# Allegro board 6089-103-RevA_73.brd (continued)
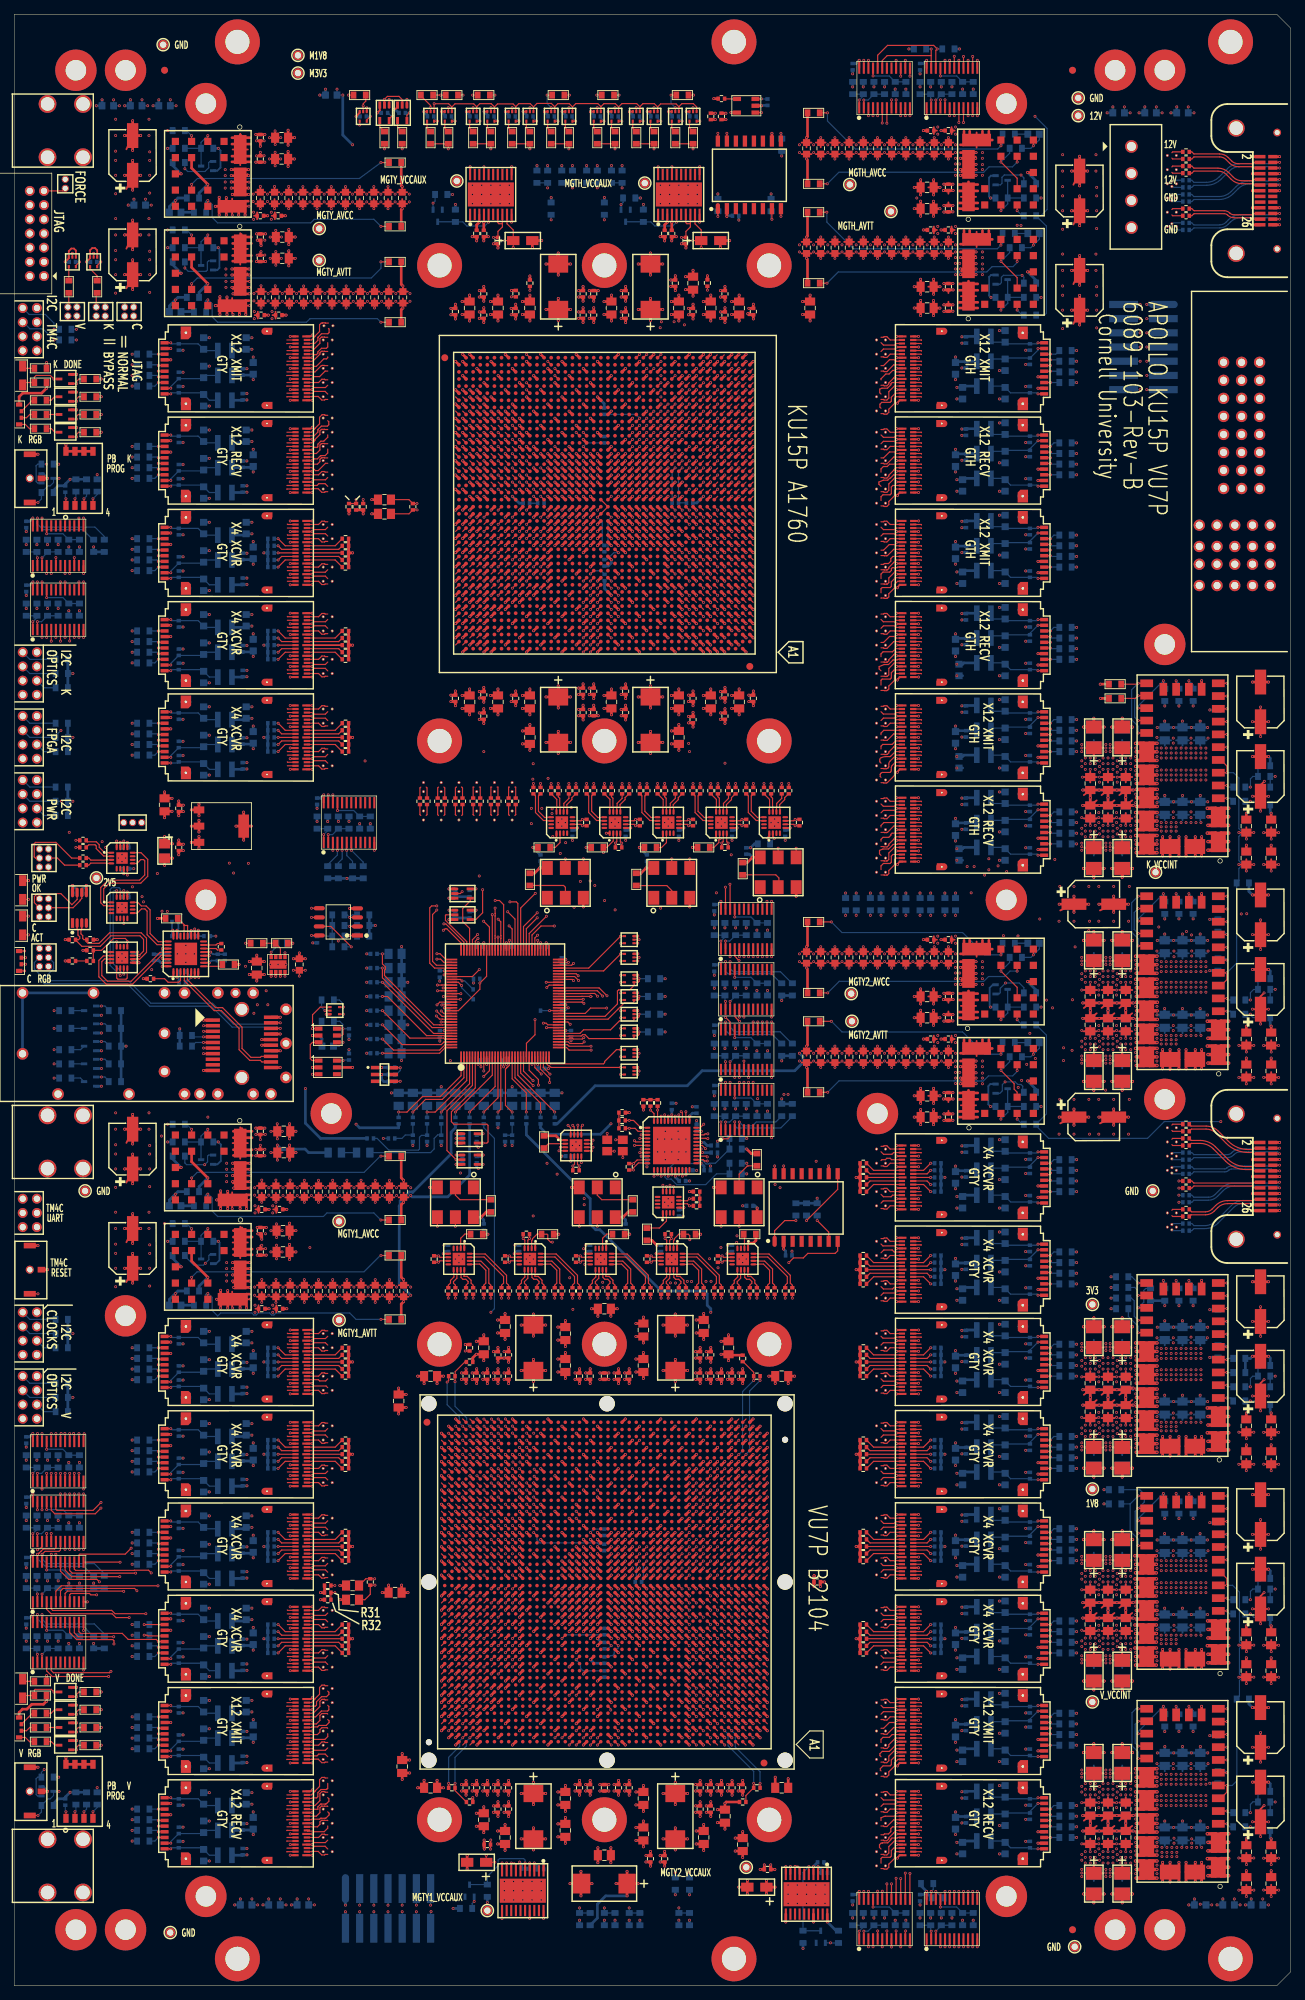
[diagram p0: board, top side]
## Routing (per net, layer and track width the routed paths; a pad name or vN(x,y) marks a point on that pad's centre or on a via; arc(x,y) is an arc through that point) (continued)
PV_FF11_XMIT3: length 28.4
  TOP w0.165: 122.2,38.28 122.54,38.62 124.1,38.62 124.32,38.4 U116.A15 ; U66.K7 100.17,42.95
  SIG1 w0.083: 122.2,38.28 121.52,38.28 arc(121.33,38.25) 121.17,38.15 arc(121.14,38.12) 121.1,38.1 arc(120.99,38.05) 120.88,38.01 arc(120.84,38) 120.79,38 120.37,38 arc(119.88,38.09) 119.47,38.37 114.99,42.85 arc(114.62,43.13) 114.2,43.29 113.77,43.39 113.33,43.5 arc(113.08,43.54) 112.84,43.56 101.12,43.56 arc(100.86,43.51) 100.63,43.37 100.57,43.34 100.57,43.07 arc(100.53,42.98) 100.44,42.95 100.17,42.95
PV_FF11_XMIT4: length 34
  TOP w0.165: 127.9,36.88 127.9,36.85 127.85,36.9 U116.B12 ; U66.J9 98.17,41.93
  SIG3 w0.083: 98.17,41.93 98.28,41.93 arc(98.32,41.94) 98.36,41.96 98.49,42.04 arc(98.52,42.07) 98.55,42.11 98.65,42.37 arc(98.67,42.4) 98.71,42.43 98.85,42.49 113.13,42.49 arc(114.36,42.24) 115.4,41.54 119.6,37.34 arc(119.91,37.14) 120.28,37.06 122.08,37.06 arc(122.35,37.04) 122.61,36.97 122.87,36.88 122.95,36.81 123.16,36.73 arc(123.2,36.72) 123.24,36.72 127.4,36.72 arc(127.44,36.73) 127.48,36.75 arc(127.61,36.83) 127.75,36.87 arc(127.79,36.88) 127.83,36.88 127.9,36.88
PV_FF11_XMIT5: length 28.5
  TOP w0.165: U116.A12 124.32,36.9 124.12,37.11 123.38,37.11 122.56,36.28 122.2,36.28 ; U66.H7 100.17,40.94
  SIG1 w0.083: 122.2,36.28 121.55,36.28 arc(121.33,36.24) 121.14,36.12 arc(121.11,36.09) 121.08,36.07 arc(121.04,36.05) 120.99,36.04 arc(120.95,36.03) 120.91,36.03 120.55,36.03 arc(120.05,36.13) 119.63,36.41 115.51,40.53 arc(114.34,41.31) 112.96,41.59 101.21,41.59 arc(100.95,41.53) 100.72,41.38 100.68,41.34 arc(100.59,41.21) 100.57,41.07 100.57,41.02 100.48,40.94 100.17,40.94
PV_FF11_XMIT6: length 34.4
  TOP w0.165: 127.9,35.38 127.9,35.35 127.85,35.4 U116.B9 ; U66.G9 98.17,39.93
  SIG3 w0.083: 127.9,35.38 127.83,35.38 arc(127.79,35.38) 127.75,35.37 arc(127.61,35.32) 127.48,35.25 arc(127.44,35.23) 127.4,35.22 122.67,35.22 arc(122.52,35.2) 122.4,35.13 arc(122.36,35.11) 122.33,35.09 arc(122.26,35.06) 122.2,35.03 arc(122.16,35.02) 122.12,35.02 119.57,35.02 arc(119.53,35.03) 119.49,35.05 114.11,40.44 arc(114.01,40.5) 113.89,40.53 98.85,40.53 arc(98.64,40.44) 98.56,40.24 98.56,40.04 arc(98.52,39.96) 98.44,39.93 98.17,39.93
PV_FF11_XMIT7: length 28.8
  TOP w0.165: 122.2,34.28 122.2,34.73 122.48,35.01 123.38,35.01 123.77,35.4 U116.A9 ; U66.F7 100.17,38.93
  SIG1 w0.083: 100.17,38.93 100.48,38.93 100.57,39.02 arc(100.57,39.02) 100.57,39.02 arc(100.57,39.03) 100.57,39.05 100.57,39.16 arc(100.59,39.28) 100.65,39.37 100.67,39.39 arc(100.78,39.47) 100.91,39.49 111.83,39.49 arc(113.38,39.18) 114.69,38.3 118.48,34.52 arc(119.11,34.09) 119.86,33.95 120.83,33.95 arc(121.03,33.99) 121.2,34.1 121.24,34.14 arc(121.4,34.24) 121.59,34.28 122.2,34.28
PV_FF11_XMIT8: length 34.3
  TOP w0.165: U116.B6 127.85,33.9 127.9,33.85 127.9,33.88 ; U66.E9 98.17,37.94
  SIG3 w0.083: 127.9,33.88 127.71,33.88 arc(127.62,33.86) 127.54,33.81 127.48,33.75 arc(127.44,33.73) 127.4,33.72 124.39,33.72 arc(123.72,33.62) 123.11,33.33 arc(122.67,33.1) 122.2,32.97 arc(122.16,32.96) 122.12,32.96 119.93,32.96 arc(118.87,33.17) 117.98,33.77 113.99,37.76 arc(113.07,38.37) 111.98,38.59 98.88,38.59 arc(98.77,38.57) 98.68,38.5 98.67,38.49 arc(98.59,38.37) 98.56,38.23 98.56,38.06 arc(98.55,38.03) 98.53,38 98.48,37.94 98.17,37.94
PV_FF11_XMIT9: length 29.4
  TOP w0.165: U66.D7 100.17,36.93 ; 122.2,32.28 122.04,32.44 122.04,32.7 122.37,33.02 123.37,33.02 124.25,33.9 U116.A6
  SIG1 w0.083: 122.2,32.28 121.43,32.28 arc(121.28,32.25) 121.16,32.17 121.14,32.14 arc(120.93,32.01) 120.69,31.96 119.58,31.96 arc(119.02,32.07) 118.53,32.39 114.52,36.41 arc(113.2,37.29) 111.64,37.6 100.9,37.6 arc(100.67,37.5) 100.58,37.28 100.58,37.2 arc(100.58,37.15) 100.57,37.11 arc(100.54,37.04) 100.51,36.97 arc(100.48,36.94) 100.44,36.93 100.17,36.93
PV_FF11_XMIT10: length 34.5
  TOP w0.165: U66.C9 98.17,35.94 ; U116.B3 127.85,32.4 127.9,32.35 127.9,32.38
  SIG3 w0.083: 127.9,32.38 127.76,32.38 arc(127.62,32.36) 127.5,32.28 arc(127.42,32.23) 127.33,32.22 arc(127.28,32.22) 127.23,32.22 125.22,32.22 arc(124.56,32.1) 123.99,31.74 arc(123.96,31.71) 123.93,31.69 arc(123.77,31.58) 123.61,31.47 arc(123.58,31.45) 123.54,31.43 122.91,31.18 arc(122.23,30.97) 121.53,30.9 120.2,30.9 117.56,31.11 arc(117.41,31.15) 117.28,31.22 117.23,31.26 112.71,35.79 arc(111.83,36.38) 110.79,36.58 98.89,36.58 arc(98.77,36.56) 98.67,36.49 98.64,36.46 arc(98.58,36.37) 98.56,36.26 98.56,36.05 arc(98.55,36.02) 98.53,36 98.48,35.94 98.17,35.94
PV_FF11_XMIT11: length 31.3
  TOP w0.165: 122.2,30.28 122.1,30.38 122.1,30.61 122.48,30.99 123.48,30.99 123.65,31.15 123.65,31.82 124.23,32.4 U116.A3 ; U66.A9 98.17,33.93
  SIG1 w0.083: 98.17,33.93 98.48,33.93 98.56,34.01 98.56,34.28 98.76,34.49 110.21,34.49 arc(110.9,34.35) 111.49,33.96 114.56,30.88 arc(115.54,30.23) 116.68,30 120.86,30 arc(121.1,30.05) 121.29,30.18 arc(121.39,30.23) 121.49,30.27 arc(121.53,30.28) 121.57,30.28 122.2,30.28
PV_FF12_RECV0: length 31.8
  TOP w0.165: U30.A18 41.94,18.9 41.98,18.94 42.86,18.94 43.36,18.44 43.76,18.44 43.84,18.52 44.2,18.52 ; U66.D45 61.25,36.93
  SIG2 w0.083: 61.25,36.93 60.89,36.93 arc(60.83,36.9) 60.81,36.85 60.81,36.7 arc(60.69,36.41) 60.4,36.29 57.89,36.29 arc(57.48,36.21) 57.14,35.98 54.21,33.05 arc(53.43,31.89) 53.16,30.51 53.16,27.68 arc(52.86,26.2) 52.02,24.94 45.98,18.9 arc(45.88,18.83) 45.75,18.8 45.58,18.8 arc(45.51,18.79) 45.45,18.75 45.31,18.61 arc(45.21,18.54) 45.09,18.52 44.2,18.52
PV_FF12_RECV1: length 35
  TOP w0.165: U66.F45 61.25,38.93 ; U30.B18 38.45,18.9 38.45,18.87
  SIG4 w0.083: 61.25,38.93 60.98,38.93 60.92,38.88 60.92,38.79 arc(60.89,38.63) 60.81,38.5 60.73,38.42 arc(60.62,38.35) 60.5,38.33 59.54,38.33 arc(59.39,38.3) 59.26,38.21 53.32,32.27 arc(52.75,31.42) 52.55,30.42 52.55,28.05 arc(52.45,27.55) 52.17,27.12 45.59,20.55 arc(44.87,20.07) 44.03,19.9 43.82,19.9 arc(43.31,19.79) 42.87,19.52 arc(42.27,19.16) 41.59,19.03 38.61,19.03 38.45,18.87
PV_FF12_RECV2: length 35
  TOP w0.165: 44.2,20.52 43.86,20.18 42.3,20.18 42.08,20.4 U30.A15 ; U66.H43 63.23,40.94
  SIG2 w0.083: 63.23,40.94 62.95,40.94 62.86,40.86 62.86,40.66 arc(62.78,40.45) 62.57,40.37 59.12,40.37 arc(58.61,40.27) 58.18,39.98 52.88,34.68 arc(52.01,33.37) 51.7,31.84 51.7,28.3 arc(51.43,26.91) 50.64,25.74 45.74,20.84 arc(45.64,20.77) 45.52,20.75 45.43,20.75 arc(45.32,20.73) 45.23,20.67 45.14,20.58 arc(45.07,20.54) 44.99,20.52 44.2,20.52
PV_FF12_RECV3: length 36
  TOP w0.165: 38.45,20.37 38.45,20.4 U30.B15 ; U66.J45 61.25,41.93
  SIG4 w0.083: 38.45,20.37 38.61,20.53 41.18,20.53 arc(41.92,20.68) 42.54,21.09 42.86,21.41 arc(43.4,21.77) 44.04,21.9 44.26,21.9 arc(44.94,22.04) 45.52,22.42 50.03,26.94 arc(50.93,28.29) 51.25,29.88 51.25,31.77 arc(51.45,32.77) 52.02,33.62 59.5,41.11 arc(59.71,41.25) 59.96,41.3 60.49,41.3 arc(60.65,41.35) 60.76,41.48 60.81,41.61 arc(60.84,41.68) 60.84,41.76 arc(60.86,41.83) 60.89,41.9 arc(60.93,41.92) 60.97,41.93 61.25,41.93
PV_FF12_RECV4: length 35.6
  TOP w0.165: U66.K43 63.23,42.95 ; 44.2,22.52 44.2,22.21 43.7,21.71 42.26,21.71 42.18,21.8 41.36,21.8 U30.A12
  SIG2 w0.083: 44.2,22.52 44.88,22.52 arc(45.02,22.55) 45.13,22.62 45.22,22.71 arc(45.32,22.78) 45.44,22.8 45.62,22.8 arc(45.76,22.83) 45.87,22.91 50.05,27.09 arc(50.49,27.75) 50.65,28.53 50.65,33.12 arc(50.94,34.58) 51.77,35.82 58.01,42.06 arc(58.38,42.3) 58.82,42.39 62.42,42.39 arc(62.59,42.43) 62.74,42.53 62.75,42.54 arc(62.82,42.63) 62.84,42.74 62.84,42.87 62.92,42.95 63.23,42.95
PV_FF12_RECV5: length 36.2
  TOP w0.165: U30.B12 38.45,21.9 38.45,21.87 ; U66.L45 61.25,43.94
  SIG4 w0.083: 61.25,43.94 61.17,43.94 arc(61.13,43.94) 61.09,43.94 arc(61,43.95) 60.91,43.92 arc(60.87,43.89) 60.86,43.84 arc(60.86,43.79) 60.85,43.74 arc(60.84,43.72) 60.84,43.7 arc(60.81,43.59) 60.76,43.49 arc(60.65,43.39) 60.51,43.35 60.05,43.35 arc(59.86,43.31) 59.7,43.21 50.67,34.17 arc(50.13,33.37) 49.94,32.42 49.94,31.23 arc(49.48,28.89) 48.15,26.9 45.62,24.38 arc(45.03,23.98) 44.34,23.84 42.79,23.84 arc(42.33,23.75) 41.94,23.49 40.97,22.52 arc(40.37,22.12) 39.67,21.99 38.57,21.99 38.45,21.87
PV_FF12_RECV6: length 36.1
  TOP w0.165: U30.A9 41.9,23.4 41.98,23.48 43.08,23.48 43.2,23.6 43.27,23.6 43.27,23.6 43.86,23.6 43.86,23.6 43.92,23.6 44.4,24.08 44.4,24.32 44.2,24.52 ; U66.M43 63.23,44.93
  SIG2 w0.083: 44.2,24.52 44.95,24.52 arc(45.08,24.55) 45.2,24.63 45.23,24.65 arc(45.36,24.74) 45.52,24.77 45.7,24.77 arc(45.79,24.79) 45.87,24.85 48.88,27.85 arc(49.38,28.6) 49.55,29.48 49.55,34.66 arc(49.75,35.67) 50.32,36.52 57.53,43.73 arc(58.23,44.2) 59.04,44.36 62.48,44.36 arc(62.73,44.46) 62.84,44.72 62.84,44.8 arc(62.87,44.89) 62.96,44.93 63.23,44.93
PV_FF12_RECV7: length 36.2
  TOP w0.165: U66.N45 61.25,45.95 ; 38.45,23.37 38.45,23.4 U30.B9
  SIG4 w0.083: 61.25,45.95 60.93,45.95 60.84,45.86 60.84,45.69 arc(60.8,45.54) 60.69,45.43 arc(60.62,45.4) 60.54,45.37 arc(60.47,45.35) 60.4,45.35 60.22,45.35 arc(60.05,45.31) 59.9,45.21 49.23,34.55 arc(48.8,33.9) 48.65,33.14 48.65,31.67 arc(48.27,29.78) 47.2,28.18 45.27,26.24 arc(44.88,25.99) 44.43,25.9 43.48,25.9 arc(42.9,25.78) 42.4,25.45 41.03,24.08 arc(40.42,23.67) 39.7,23.53 38.61,23.53 38.45,23.37
PV_FF12_RECV8: length 36.5
  TOP w0.165: U30.A6 41.28,24.88 42.81,24.88 42.81,25.21 43.2,25.6 43.27,25.6 43.27,25.6 43.86,25.6 43.86,25.6 43.93,25.6 44.03,25.69 44.05,25.69 44.36,26 44.36,26.36 44.2,26.52 ; U66.P43 63.23,46.94
  SIG2 w0.083: 44.2,26.52 45.06,26.52 arc(45.09,26.53) 45.12,26.54 45.27,26.69 arc(45.36,26.75) 45.47,26.77 45.53,26.77 arc(45.73,26.81) 45.9,26.93 47.36,28.38 arc(47.83,29.09) 48,29.93 48,35.12 arc(48.21,36.16) 48.8,37.05 57.43,45.68 arc(58.18,46.18) 59.06,46.35 62.51,46.35 arc(62.74,46.45) 62.84,46.68 62.84,46.85 62.92,46.94 63.23,46.94
PV_FF12_RECV9: length 36.6
  TOP w0.165: U30.B6 38.45,24.9 38.45,24.87 ; U66.R45 61.25,47.93
  SIG4 w0.083: 61.25,47.93 60.93,47.93 60.84,47.84 60.84,47.65 arc(60.75,47.43) 60.54,47.34 60.09,47.34 arc(59.85,47.3) 59.66,47.16 48.16,35.66 arc(47.63,34.88) 47.45,33.96 47.45,32.06 arc(47.13,30.46) 46.23,29.11 45.36,28.24 arc(44.93,27.95) 44.42,27.85 44.04,27.85 arc(43.4,27.72) 42.86,27.36 41.17,25.67 arc(40.46,25.2) 39.62,25.03 38.61,25.03 38.45,24.87
PV_FF12_RECV10: length 37
  TOP w0.165: U66.T43 63.23,48.94 ; 44.2,28.52 44.2,27.82 44.07,27.69 44.03,27.69 43.99,27.66 43.25,27.66 42.81,27.21 42.81,26.65 42.64,26.48 42.03,26.48 41.95,26.4 U30.A3
  SIG2 w0.083: 44.2,28.52 44.97,28.52 arc(45.06,28.54) 45.14,28.59 45.26,28.71 arc(45.36,28.78) 45.48,28.8 45.61,28.8 arc(45.92,28.86) 46.19,29.04 46.59,29.44 arc(46.82,29.78) 46.9,30.18 46.9,36.59 arc(47.01,37.15) 47.33,37.63 57.76,48.06 arc(58.12,48.3) 58.54,48.39 61.48,48.39 61.48,48.39 62.5,48.39 arc(62.71,48.46) 62.83,48.65 62.85,48.75 arc(62.85,48.79) 62.85,48.83 arc(62.86,48.87) 62.89,48.9 arc(63.01,48.95) 63.14,48.95 arc(63.18,48.94) 63.22,48.94 63.23,48.94
PV_FF12_RECV11: length 36.3
  TOP w0.165: 38.45,26.37 38.45,26.4 U30.B3 ; U66.U45 61.25,49.93
  SIG4 w0.083: 38.45,26.37 38.57,26.49 39.63,26.49 arc(40.23,26.6) 40.73,26.94 45.35,31.56 arc(45.91,32.39) 46.1,33.37 46.1,34.6 arc(46.3,35.63) 46.88,36.5 59.51,49.13 arc(59.6,49.19) 59.69,49.25 59.79,49.29 arc(59.97,49.34) 60.16,49.36 60.55,49.36 arc(60.76,49.45) 60.84,49.65 60.84,49.85 60.93,49.93 61.25,49.93
PV_FF12_XMIT0: length 28.5
  TOP w0.165: U29.B18 38.45,31.9 38.45,31.87 ; U66.A42 64.24,33.93
  SIG3 w0.083: 64.24,33.93 63.92,33.93 63.84,33.85 63.84,33.76 arc(63.83,33.68) 63.81,33.59 arc(63.81,33.59) 63.81,33.59 arc(63.68,33.43) 63.48,33.38 46.51,33.38 arc(46.3,33.33) 46.13,33.22 45.8,32.89 arc(45.7,32.82) 45.58,32.8 43.48,32.8 arc(43.06,32.71) 42.69,32.47 42.62,32.4 arc(42.21,32.13) 41.73,32.03 38.62,32.03 38.45,31.87
PV_FF12_XMIT1: length 25.6
  TOP w0.165: 44.2,31.52 43.84,31.52 43.76,31.44 43.36,31.44 42.86,31.94 41.98,31.94 41.94,31.9 U29.A18 ; U66.C42 64.24,35.94
  SIG1 w0.083: 64.24,35.94 63.92,35.94 63.84,35.85 63.84,35.73 arc(63.74,35.49) 63.49,35.38 51.36,35.38 arc(49.92,35.1) 48.7,34.28 46.52,32.1 arc(46.21,31.89) 45.83,31.82 45.52,31.82 arc(45.36,31.79) 45.23,31.7 45.17,31.63 arc(45.04,31.55) 44.89,31.52 44.2,31.52
PV_FF12_XMIT2: length 29.5
  TOP w0.165: U66.E42 64.24,37.94 ; 38.45,33.37 38.45,33.4 U29.B15
  SIG3 w0.083: 64.24,37.94 63.92,37.94 63.84,37.86 63.84,37.6 arc(63.82,37.49) 63.76,37.39 63.72,37.36 arc(63.63,37.3) 63.51,37.27 60.09,37.27 arc(59.68,37.19) 59.33,36.96 57.9,35.53 arc(57.05,34.96) 56.05,34.77 42.1,34.77 arc(41.75,34.7) 41.46,34.5 40.76,33.8 arc(40.45,33.59) 40.07,33.52 38.6,33.52 38.45,33.37
PV_FF12_XMIT3: length 28.4
  TOP w0.165: U29.A15 42.08,33.4 42.29,33.19 43.87,33.19 44.2,33.52 ; U66.G40 66.23,39.93
  SIG1 w0.083: 44.2,33.52 44.91,33.52 arc(45.12,33.55) 45.31,33.65 arc(45.51,33.75) 45.74,33.79 arc(46.12,33.86) 46.44,34.08 50.67,38.31 arc(51.85,39.09) 53.24,39.37 65.47,39.37 arc(65.73,39.48) 65.83,39.73 65.83,39.84 65.92,39.93 66.23,39.93
PV_FF12_XMIT4: length 32.5
  TOP w0.165: U29.B12 38.45,34.9 38.45,34.87 ; U66.J40 66.23,41.93
  SIG3 w0.083: 38.45,34.87 38.61,35.03 39.83,35.03 arc(40.44,35.15) 40.95,35.49 41.99,36.53 arc(42.24,36.7) 42.53,36.76 54.34,36.76 arc(55.13,36.91) 55.8,37.36 59.25,40.81 arc(59.88,41.23) 60.62,41.38 65.51,41.38 arc(65.62,41.4) 65.72,41.46 65.75,41.5 arc(65.81,41.59) 65.83,41.7 65.83,41.85 65.92,41.93 66.23,41.93
PV_FF12_XMIT5: length 29.7
  TOP w0.165: 44.2,35.52 44.2,35.12 43.8,34.72 42.26,34.72 42.08,34.9 U29.A12 ; U66.L40 66.23,43.94
  SIG1 w0.083: 66.23,43.94 65.92,43.94 65.83,43.86 65.83,43.73 arc(65.73,43.49) 65.48,43.38 54.64,43.38 arc(53.83,43.22) 53.14,42.76 46.61,36.23 arc(46.14,35.91) 45.57,35.8 45.56,35.8 arc(45.46,35.78) 45.37,35.72 45.24,35.59 arc(45.16,35.54) 45.07,35.52 44.2,35.52
PV_FF12_XMIT6: length 35.1
  TOP w0.165: U66.M38 68.23,44.93 ; 38.45,36.37 38.45,36.4 U29.B9
  SIG3 w0.083: 68.23,44.93 67.92,44.93 67.84,44.85 67.84,44.64 arc(67.82,44.52) 67.74,44.41 67.72,44.39 arc(67.63,44.32) 67.52,44.3 60.14,44.3 arc(59.81,44.23) 59.53,44.05 55.59,40.1 arc(54.19,39.17) 52.55,38.84 43.36,38.84 arc(42.86,38.74) 42.44,38.46 40.92,36.94 arc(40.46,36.63) 39.93,36.53 38.61,36.53 38.45,36.37
PV_FF12_XMIT7: length 30.1
  TOP w0.165: 44.2,37.52 44.39,37.33 44.39,37.09 43.99,36.69 42.98,36.69 42.77,36.48 41.98,36.48 41.9,36.4 U29.A9 ; U66.N40 66.23,45.95
  SIG1 w0.083: 44.2,37.52 45,37.52 arc(45.11,37.54) 45.21,37.61 45.28,37.68 arc(45.41,37.77) 45.57,37.8 45.63,37.8 arc(46.02,37.88) 46.35,38.1 52.84,44.59 arc(53.67,45.14) 54.65,45.34 65.48,45.34 arc(65.73,45.44) 65.83,45.69 65.83,45.86 65.92,45.95 66.23,45.95
PV_FF12_XMIT8: length 35.3
  TOP w0.165: 38.45,37.87 38.45,37.9 U29.B6 ; U66.P38 68.23,46.94
  SIG3 w0.083: 68.23,46.94 67.92,46.94 67.84,46.85 67.84,46.67 arc(67.82,46.55) 67.75,46.45 67.69,46.39 arc(67.59,46.32) 67.47,46.3 60.33,46.3 arc(59.89,46.21) 59.51,45.96 55.29,41.74 arc(54.19,41.01) 52.9,40.75 43.56,40.75 arc(43.09,40.65) 42.68,40.38 40.65,38.35 arc(40.29,38.11) 39.87,38.03 38.61,38.03 38.45,37.87
PV_FF12_XMIT9: length 30.2
  TOP w0.165: 44.2,39.52 44.36,39.36 44.36,38.88 44.19,38.71 43.31,38.71 42.5,37.9 U29.A6 ; U66.R40 66.23,47.93
  SIG1 w0.083: 66.23,47.93 65.92,47.93 65.83,47.84 65.83,47.7 65.5,47.37 55.02,47.37 54.91,47.35 53.89,46.97 53.85,46.96 52.96,46.63 52.92,46.6 52.84,46.51 52.82,46.51 46.41,40.1 arc(46.38,40.07) 46.34,40.06 45.8,39.83 45.76,39.82 arc(45.73,39.8) 45.68,39.8 45.54,39.8 arc(45.41,39.78) 45.3,39.7 45.23,39.63 arc(45.11,39.55) 44.97,39.52 44.2,39.52
PV_FF12_XMIT10: length 35.5
  TOP w0.165: U66.T38 68.23,48.94 ; U29.B3 38.45,39.4 38.45,39.37
  SIG3 w0.083: 68.23,48.94 67.92,48.94 67.84,48.86 67.84,48.63 67.82,48.57 67.77,48.52 arc(67.62,48.42) 67.45,48.39 60.43,48.39 arc(60.05,48.31) 59.73,48.1 55.89,44.26 arc(54.98,43.65) 53.91,43.44 44.34,43.44 arc(43.77,43.32) 43.29,43 40.29,40 arc(39.77,39.65) 39.16,39.53 38.61,39.53 38.45,39.37
PV_FF12_XMIT11: length 30.7
  TOP w0.165: U66.U40 66.23,49.93 ; U29.A3 42.45,39.4 42.62,39.57 42.62,40.02 43.34,40.74 44.03,40.74 44.36,41.07 44.36,41.36 44.2,41.52
  SIG1 w0.083: 66.23,49.93 65.92,49.93 65.83,49.85 65.83,49.65 arc(65.73,49.39) 65.47,49.29 54.6,49.29 arc(54.07,49.18) 53.63,48.88 47.21,42.47 arc(46.46,41.97) 45.58,41.8 arc(45.46,41.77) 45.35,41.72 arc(45.31,41.69) 45.28,41.67 arc(45.07,41.56) 44.83,41.52 44.2,41.52
PV_GTY1_OSC: length 10.3
  TOP w0.165: U89.6 100.01,102.65 v1(99.81,102.85) R142.2 ; U88.4 v1(99.66,107.02)
  SIG2 w0.083: v1(99.66,107.02) 100.74,107.02 100.83,106.94 100.83,104.61 101.11,104.32 101.11,103 100.61,102.5 100.14,102.5 99.81,102.84 v1(99.81,102.85)
PV_GTY2_OSC: length 10.3
  TOP w0.165: R84.2 v1(59.81,102.85) 60.01,102.65 U44.6 ; U43.4 v1(59.66,107.02)
  SIG2 w0.083: v1(59.66,107.02) 60.74,107.02 60.83,106.94 60.83,104.61 61.11,104.32 61.11,103 60.61,102.5 60.15,102.5 59.81,102.84 v1(59.81,102.85)
PV_TEST_CONN_0: length 52.4
  TOP w0.165: U66.C26 v1(80.23,35.92)
  SIG1 w0.083: v1(80.23,35.92) 80.23,35.61 80.15,35.53 68.03,35.53 65.9,33.41 61.99,33.41 59.02,30.43 58.26,30.43 47.74,19.91 47.74,11.1 48.12,10.73 48.45,10.73 48.53,10.65 48.53,10.61 v1(48.7,10.44)
  BOTTOM w0.165: J19.4 v1(48.7,10.44)
PV_TEST_CONN_1: length 51.1
  TOP w0.165: v1(81.23,34.93) 81.23,34.94 U66.B25
  SIG1 w0.083: v1(50.7,10.44) 50.7,10.48 50.43,10.75 49.94,10.75 49.74,10.96 49.74,20.02 59.96,30.24 65.41,30.24 69.7,34.53 81.14,34.53 81.23,34.61 v1(81.23,34.93)
  BOTTOM w0.165: J19.6 v1(50.7,10.44)
PV_TEST_CONN_2: length 50.4
  TOP w0.165: v1(82.23,34.93) 82.23,34.95 U66.B24
  SIG1 w0.083: v1(82.23,34.93) 82.23,34.61 82.14,34.53 81.94,34.53 81.61,34.21 81.61,33.62 81.22,33.23 76.25,33.23 72.52,29.51 61.21,29.51 51.8,20.1 51.8,11.07 52.09,10.79 52.52,10.79 52.7,10.61 v1(52.7,10.44)
  BOTTOM w0.165: J19.8 v1(52.7,10.44)
PV_TEST_CONN_3: length 46.3
  TOP w0.165: U66.A23 84.17,33.93 v1(84.17,33.93)
  SIG1 w0.083: v1(84.17,33.93) 84.48,33.93 84.56,33.85 84.56,33.74 84.4,33.57 82.78,33.57 80.86,31.66 77.02,31.66 70.49,25.14 70.49,23.23 68.35,21.09 63.17,21.09 53.9,11.82 53.9,11.09 54.22,10.77 54.57,10.77 54.7,10.63 v1(54.7,10.44)
  BOTTOM w0.165: J19.10 v1(54.7,10.44)
PV_TEST_CONN_4: length 49.9
  TOP w0.165: U66.C22 85.17,35.93 v1(85.17,35.93)
  SIG1 w0.083: v1(85.17,35.93) 85.17,35.63 85.26,35.54 85.46,35.54 85.78,35.22 85.78,34.79 85.79,34.79 85.79,30.97 84.97,30.16 77.28,30.16 72.23,25.11 72.23,19.84 70.23,17.83 67.7,17.83 67.58,17.71 62.97,17.71 57.38,12.13 57.38,11.01 57.17,10.8 56.76,10.8 56.7,10.74 v1(56.7,10.44)
  BOTTOM w0.165: J19.12 v1(56.7,10.44)
PV_TEST_CONN_5: length 58.8
  TOP w0.165: U66.F24 v1(82.23,38.93)
  SIG1 w0.083: v1(82.23,38.93) 82.98,38.91 83.06,38.82 83.05,38.7 83.05,38.24 83.95,37.34 86.35,37.34 86.53,37.16 86.53,30.84 85.27,29.58 77.79,29.58 75.65,27.44 75.65,17.35 74.02,15.72 61.98,15.72 57.98,11.72 57.98,11.27 58.46,10.78 58.66,10.78 58.77,10.68 v1(58.77,10.46)
  BOTTOM w0.165: J19.14 58.7,10.29 58.77,10.36 v1(58.77,10.46)
PV_TTS_OUT: length 119.2
  TOP w0.165: U66.AP33 v1(73.24,67.86)
  SIG3 w0.083: 3.56,143.63 4.1,143.1 4.1,142.02 11.31,134.81 12.26,134.81 28.22,118.85 28.22,118.67 29.44,117.45 30.07,117.45 31.45,116.07 31.45,110.2 31.09,109.84 31.09,109.16 31.43,108.82 31.43,98.39 31.27,98.24 31.27,89.12 arc(31.32,88.62) 31.46,88.14 31.83,87.21 arc(32.01,86.86) 32.26,86.56 33.06,85.75 arc(33.38,85.49) 33.73,85.3 34.12,85.14 arc(34.45,84.96) 34.74,84.72 37.53,81.93 arc(38.08,81.56) 38.73,81.44 43.67,81.44 arc(44.15,81.34) 44.55,81.07 56.8,68.82 arc(57.41,68.41) 58.13,68.27 72.79,68.27 arc(72.82,68.26) 72.85,68.24 v1(73.24,67.86)
PV_UTIL_CLK: length 10.3
  TOP w0.165: R111.2 v1(79.81,102.85) 80.01,102.65 U64.6 ; U63.4 v1(79.66,107.02)
  SIG2 w0.083: v1(79.81,102.85) 79.81,102.84 80.14,102.5 80.61,102.5 81.11,103 81.11,104.32 80.83,104.61 80.83,106.94 80.74,107.02 v1(79.66,107.02)
PWR_I2C_SCL: length 108.2
  TOP w0.165: U91.22 100.92,155.19 v1(100.9,155.22)
  SIG2 w0.079: J5.2 3.21,169.9 6.27,166.85 6.27,166.76 6.48,166.54 6.57,166.54 10.12,163 26.7,163 27.9,161.8 45.7,161.8 46.2,162.3 75.48,162.3 75.98,162.8 79.1,162.8 82.58,159.32 82.95,159.32 87.06,155.22 v1(100.9,155.22)
PWR_I2C_SDA: length 106.6
  TOP w0.165: U91.23 v1(100.28,154.8)
  SIG2 w0.079: v1(100.28,154.8) 86.71,154.8 79.21,162.3 75.77,162.3 75.45,161.99 46.98,161.99 46.09,161.09 26.42,161.09 24.9,162.6 8.5,162.6 J5.4
PXTAL: length 6.5
  TOP w0.165: X1.1 v1(84.8,119.2) ; v1(87.44,119.07) 87.61,118.9 U81.5
  SIG1 w0.083: v1(87.44,119.07) 87.21,118.85 86.66,118.85 86.27,118.46 84.91,118.46 84.8,118.57 v1(84.8,119.2)
SFP_MOD_ABS: length 105.7
  TOP w0.165: 5.22,45.6 5.22,44.42 5.54,44.11 13.44,44.11 v1(13.64,44.3) ; U13.6 v1(26.69,132.13)
  SIG2 w0.079: v1(13.64,44.3) 13.64,48.26 14.5,49.12 14.5,57.08 12.95,58.63 12.95,118.54 15.23,120.82 15.23,120.84 15.43,121.04 15.45,121.04 26.53,132.13 v1(26.69,132.13)
SFP_RX_RATE: length 99.8
  TOP w0.165: v1(14.07,48.16) 14.07,48.61 13.9,48.78 8.8,48.78 7.83,49.76 U6.16 ; U13.7 v1(26.69,131.34)
  SIG2 w0.079: v1(14.07,48.16) 14.06,48.16 14.06,48.17 15.05,49.16 15.05,56.97 14.74,57.28 14.73,57.28 14.52,57.5 14.52,57.5 13.3,58.72 13.3,117.94 13.96,118.59 13.96,118.64 14.16,118.84 14.21,118.84 22.06,126.69 22.06,126.7 v1(26.69,131.34)
SFP_SCL: length 83.9
  TOP w0.165: v1(12.23,67.31) 11.43,66.5 5.74,66.5 5.22,67.02 5.22,68.2 ; U13.5 v1(26.69,132.91)
  SIG2 w0.079: v1(26.69,132.91) 17.6,123.82 16.93,123.82 13.96,120.84 13.96,120.53 12.61,119.17 12.61,68.26 12.61,68.26 12.61,67.95 12.61,67.95 12.61,67.69 v1(12.23,67.31)
  BOTTOM w0.165: R588.1 25.58,132.91 v1(26.69,132.91)
SFP_SDA: length 84.7
  TOP w0.165: v1(12.24,68.11) 11.12,66.99 6.04,66.99 5.88,67.15 U4.19 ; U13.4 v1(26.69,133.7)
  SIG2 w0.079: v1(26.69,133.7) 23.01,133.7 12.24,122.93 v1(12.24,68.11)
  BOTTOM w0.165: R587.1 25.26,133.7 v1(26.69,133.7)
SFP_TX_DISABLE: length 103.3
  TOP w0.165: v1(14.03,49.18) 9.04,49.18 8.47,49.74 U6.15 ; U13.3 v1(26.69,134.49)
  SIG2 w0.079: v1(14.03,49.18) 14.03,57.01 11.83,59.21 11.83,123.62 22.7,134.49 v1(26.69,134.49)
SFP_TX_FAULT: length 113.7
  TOP w0.165: U6.4 4.58,44.37 5.37,43.58 v1(13.31,43.58) ; U13.2 v1(26.69,135.28)
  SIG2 w0.079: v1(26.69,135.28) 21.04,135.28 20.33,134.57 20.33,133.92 11.49,125.08 11.49,59.19 13.23,57.44 13.23,43.66 v1(13.31,43.58)
TDI_1V8: length 2.1
  TOP w0.165: J14.1 11.56,238.4 R25.2
TDI_3V3: length 65.5
  TOP w0.165: R83.2 R85.2 v1(61.2,258.83)
  SIG1 w0.079: v1(61.2,258.83) 61.2,257.87 59.6,256.26 59.6,254.43 54.29,249.12 41.62,249.12 40.69,248.19 29.59,248.19 20.45,239.05 20.45,237.41 17.43,234.39 14.78,234.39 14.49,234.67 14.49,236.29 14.74,236.53 J15.1
TM4C_ACTIVE: length 79.4
  TOP w0.165: v1(73.78,148.03) 73.4,147.65 U52.70 ; U34.4 v1(46.41,136.9)
  SIG1 w0.079: v1(46.41,136.9) 45.69,137.62 v1(45.69,147.22)
  SIG2 w0.079: v1(73.78,148.03) 73.45,148.36 65.61,148.36 65.48,148.49 65.18,148.49 65.05,148.36 46.83,148.36 v1(45.69,147.22)
  SIG4 w0.079: v1(46.41,136.9) 45.63,136.13 31.32,136.13 30.84,136.6 23.93,136.6 22.88,135.55 v1(12.3,135.55)
  BOTTOM w0.165: Q22.1 v1(12.3,135.55) 12.79,135.55 13.34,135 R646.1
TM4C_DIP_SW_1: length 114.7
  TOP w0.165: SW4.4 v1(11.11,209.53) ; v1(68.22,150.29) 68.6,149.91 68.6,147.96 68.62,147.95 68.62,147.6 68.6,147.59 U52.82
  SIG2 w0.079: v1(68.22,150.29) 66.4,150.29 66.33,150.36 66.02,150.36 65.95,150.29 61.73,150.29 61.44,150.58 51.5,150.58 49.68,152.41 34.46,152.41 30.14,156.72 v1(20.18,156.72)
  SIG4 w0.079: v1(20.18,156.72) 19.1,157.8 19.1,202.6 12.17,209.53 v1(11.11,209.53)
  BOTTOM w0.165: R653.2 11.7,210.12 v1(11.11,209.53)
TM4C_DIP_SW_2: length 161.4
  TOP w0.165: U52.11 67,128.94 v1(66.19,128.13) ; SW5.4 v1(11.11,24.53)
  SIG1 w0.079: v1(27.3,122.4) 26.34,121.44 26.34,97.75 19.01,90.41 19.01,86.08 9.04,76.11 5.71,76.11 3.8,74.2 3.8,70.39 3.3,69.89 3.3,69 2.8,68.5 2.8,66.97 4.2,65.57 4.2,61.05 12.8,52.45 12.8,26.22 v1(11.11,24.53)
  SIG2 w0.079: v1(27.3,122.4) 35,122.4 40.66,128.06 51.95,128.06 52.02,128.13 v1(66.19,128.13)
  BOTTOM w0.165: R654.2 11.7,25.12 v1(11.11,24.53)
TM4C_FROM_KU15P_0: length 8.2
  TOP w0.165: U45.4 64.29,152.86 63.23,151.8 63.23,149.96 64.2,148.99 U52.93
TM4C_FROM_VU7P_0: length 19.8
  TOP w0.165: U47.4 v1(66.1,118.74) 66.63,118.74 66.8,118.9 66.8,121.23 66.63,121.4 61.99,121.4 61.63,121.75 61.63,123.14 65,126.51 U52.6
TM4C_LED_BLUE: length 55.6
  TOP w0.165: v1(60.2,137.35) 60.56,137 U52.116
  SIG4 w0.079: v1(60.2,137.35) 59.76,137.81 53.91,137.81 52.41,136.31 48.8,136.31 43.75,131.25 30.11,131.25 29.76,130.9 24.55,130.9 22.4,133.05 v1(12.3,133.05)
  BOTTOM w0.165: Q23.1 v1(12.3,133.05) 12.79,133.05 13.34,132.5 R647.2
TM4C_LED_GREEN: length 54.7
  TOP w0.165: v1(59.56,137.34) 60.31,136.6 U52.117
  SIG4 w0.079: v1(59.56,137.34) 54.84,132.62 47.24,132.62 45.17,130.55 v1(12.3,130.55)
  BOTTOM w0.165: R648.2 13.34,130.02 12.8,130.55 v1(12.3,130.55) Q24.1
TM4C_LED_RED: length 55.4
  TOP w0.165: U52.118 60.36,136.2 60.35,136.21 59.95,136.21 v1(59.52,136.65)
  SIG4 w0.079: v1(59.52,136.65) 59.52,136.56 52.76,129.8 30.61,129.8 28.77,127.96 20.83,127.96 20.74,128.05 v1(12.3,128.05)
  BOTTOM w0.165: R649.2 13.34,127.5 12.78,128.05 v1(12.3,128.05) Q25.1
TM4C_TO_KU15P_0: length 7.5
  TOP w0.165: U52.94 63.8,147.12 60.8,150.13 60.8,150.82 60.88,150.9 U46.2
TM4C_TO_VU7P_0: length 17.3
  TOP w0.165: U52.5 64.6,126.88 61.01,123.28 61.01,117.69 v1(62.3,116.4) U48.2
V_CONFIG_BIT_M2: length 116.4
  TOP w0.165: U66.R12 v1(95.17,47.93) ; 7.29,23.59 v1(7.29,24.53)
  SIG3 w0.079: v1(7.29,24.53) 9.06,22.76 11.44,22.76 17.75,16.45 59.68,16.45 61.15,17.92 81.55,17.92 94.72,31.09 94.72,47.48 v1(95.17,47.93)
  BOTTOM w0.165: v1(7.29,24.53) 7.2,24.62 R682.1
V_DIP_SW_1: length 76.4
  TOP w0.165: SW5.2 v1(8.56,24.53) ; U66.A28 v1(78.24,33.93)
  SIG3 w0.079: v1(78.24,33.93) 75.45,31.14 61.79,31.14 60.07,29.43 46.34,29.43 46.08,29.69 14.49,29.69 10.84,26.04 10.08,26.04 v1(8.56,24.53)
  BOTTOM w0.165: v1(8.56,24.53) 8.7,24.66 R667.2
V_DIP_SW_2: length 76.9
  TOP w0.165: 9.84,23.59 v1(9.84,24.53) ; U66.A27 v1(79.23,33.93)